# KiCad board weisse_cpu.kicad_pcb (continued)
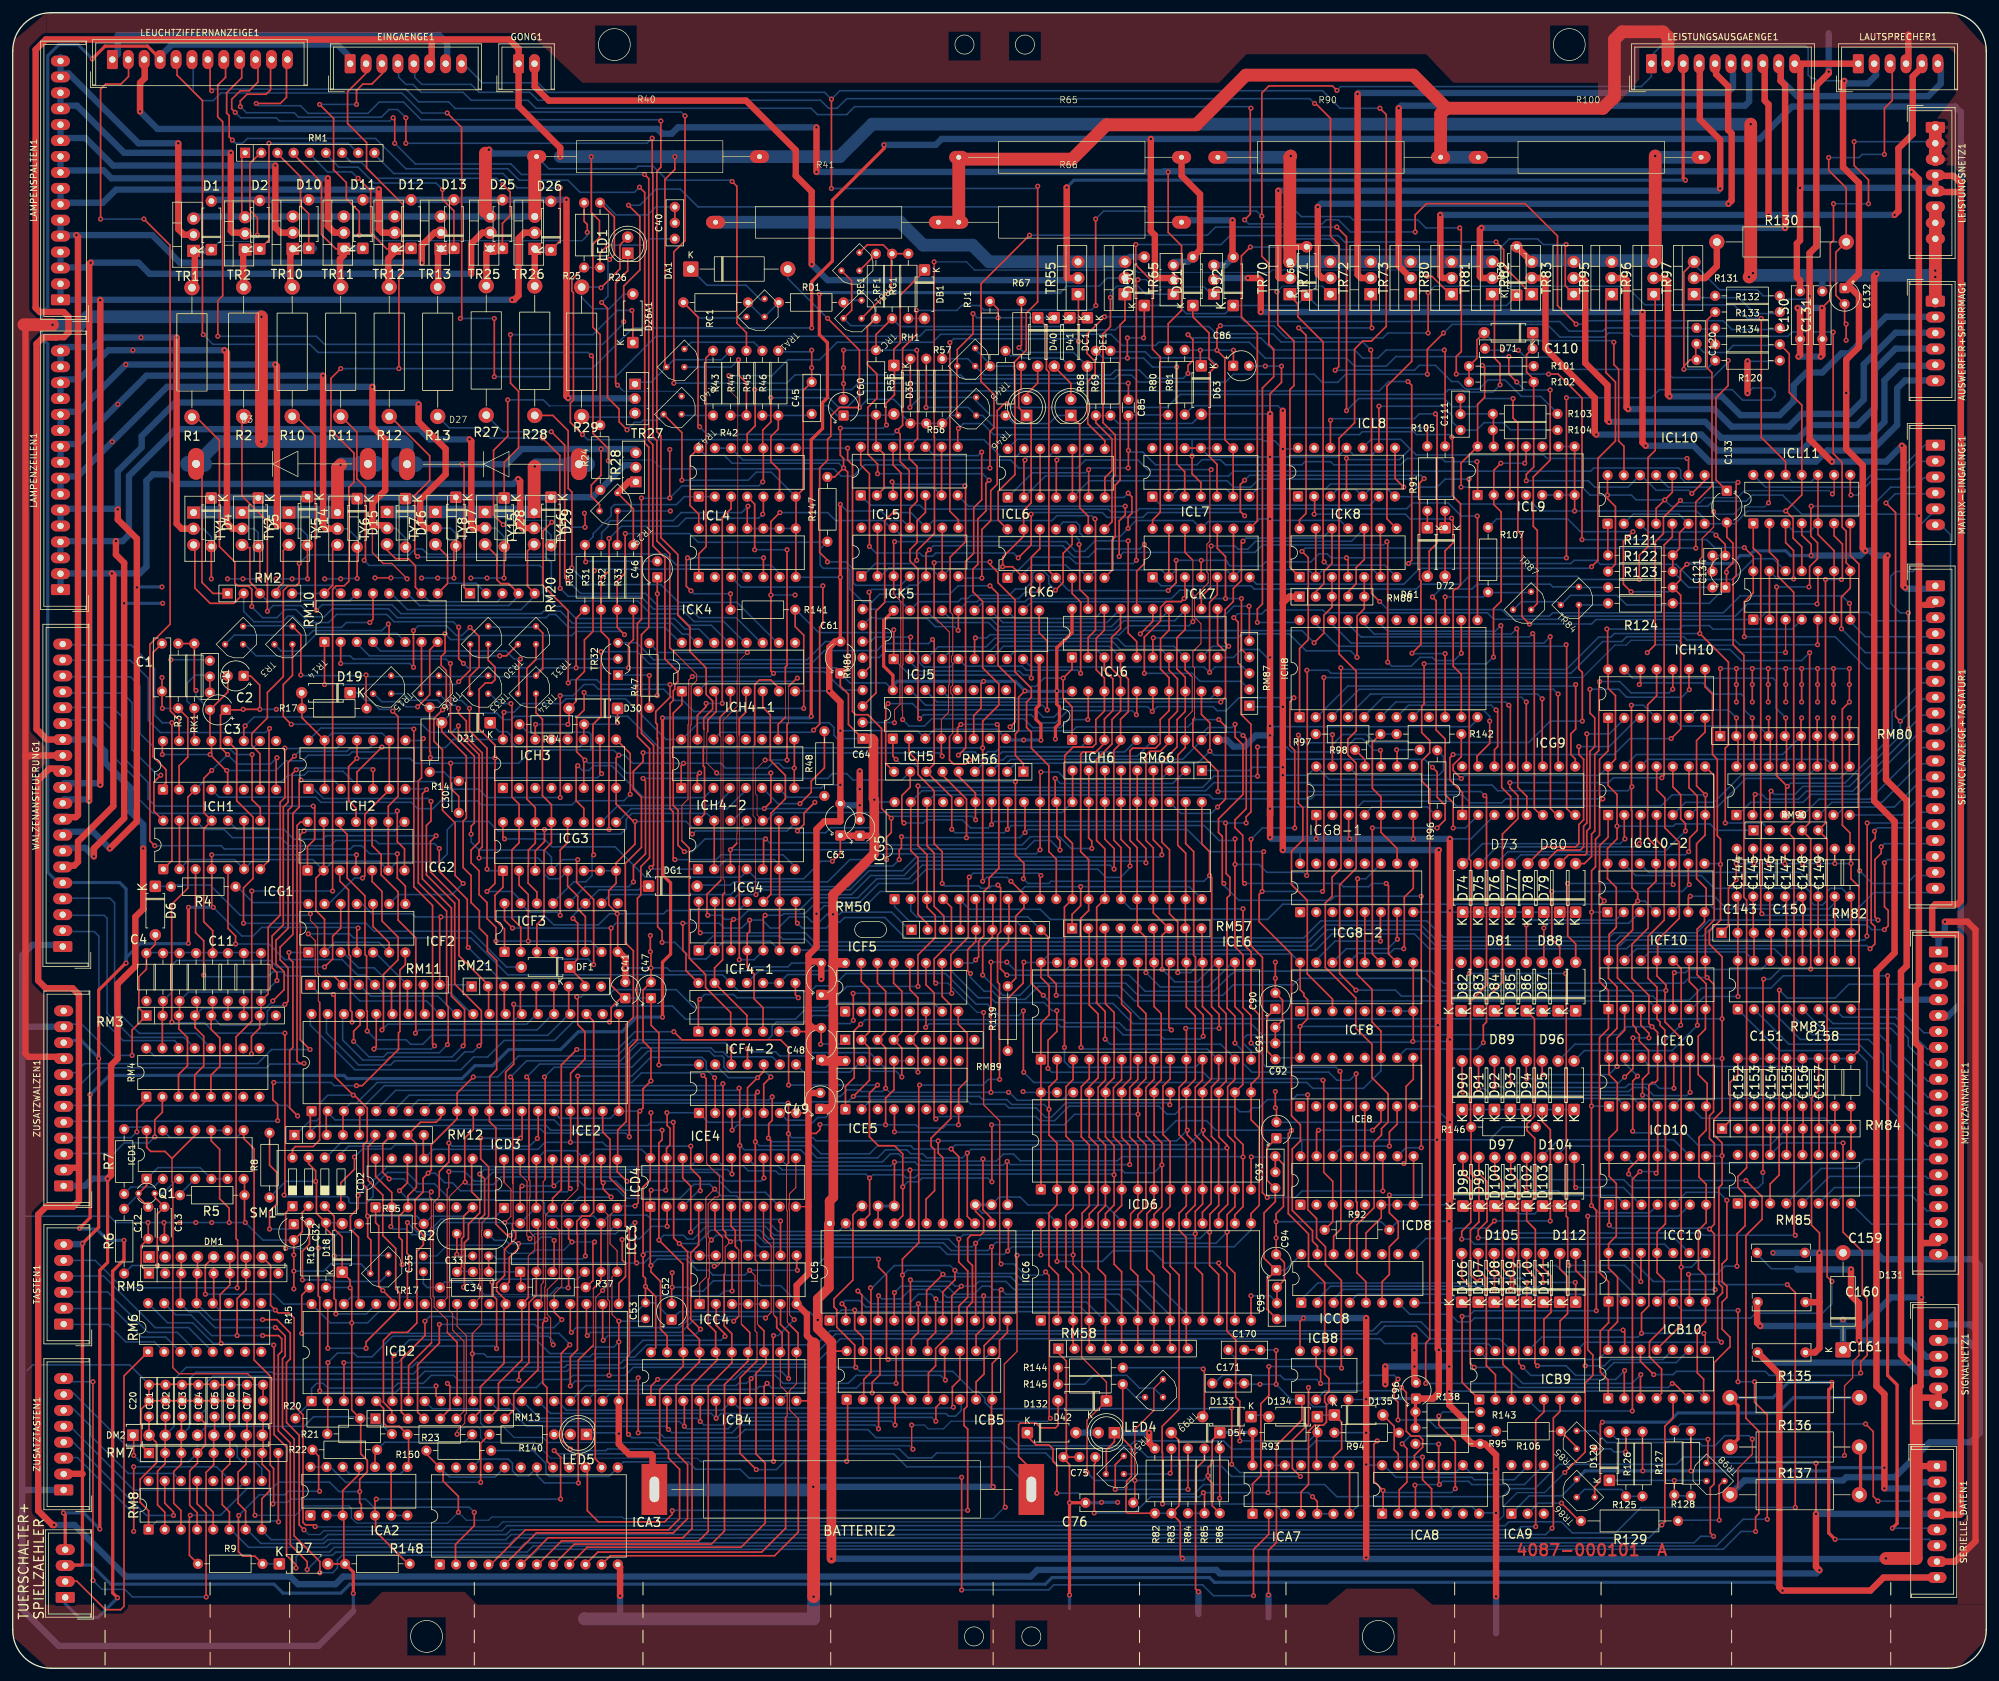
[diagram p0: board, top side]
## Footprints (pads in the part's own frame, mm; a bottom-side part is the same pattern mirrored in y, then rotated) (continued)
TO-92_Inline_Wide
  rect 1.5x1.5 hole 0.8: 1(0,0)
  round 1.5 hole 0.8: 2(2.54,0) 3(5.08,0)
TO-126-3_Vertical
  rect 1.71x1.8 hole 1: 1(0,0)
  oval 1.71x1.8 hole 1: 2(2.28,0) 3(4.56,0)
TO-220-3_Vertical
  rect 1.905x2 hole 1.1: 1(0,0)
  oval 1.905x2 hole 1.1: 2(2.54,0) 3(5.08,0)

## Nets
+2V5: C60.1 D19.1 D35.2 ICF2.2 ICF2.6 ICF2.10 ICF4-1.2 ICF4-1.6 ICF4-1.9 ICF4-1.13 ICG1.2 ICG1.6 ICG1.9 ICG1.13 ICG2.2 ICG2.6 ICG2.9 ICG2.13 ICG4.2 ICG4.6 ICG4.9 ICG4.13 ICL5.2 ICL5.6 ICL5.9 ICL5.13 R55.2
+5V: C2.2 C3.2 C41.1 C47.1 C48.1 C49.1 C50.1 C52.1 C53.2 C61.1 C63.1 C64.1 C90.1 C91.1 C92.1 C93.1 C94.1 C95.1 C96.1 C160.1 D18.1 D35.1 D54.2 D131.1 DB1.1 DM1.5 DM2.5 ICA2.4 ICA8.14 ICA9.5 ICB2.35 ICB2.40 ICB4.20 ICB5.20 ICB8.4 ICB8.8 ICB9.14 ICB10.14 ICC3.14 ICC4.13 ICC4.14 ICC5.24 ICC8.16 ICC10.14 ICD2.1 ICD2.2 ICD2.14 ICD3.3 ICD3.6 ICD3.11 ICD3.14 ICD3.16 ICD4.20 ICD6.1 ICD6.27 ICD6.28 ICD8.16 ICD10.14 ICE2.40 ICE4.14 ICE5.16 ICE6.1 ICE6.27 ICE6.28 ICE8.16 ICE10.14 ICF3.16 ICF4-1.4 ICF4-2.5 ICF4-2.14 ICF5.16 ICF8.16 ICF10.14 ICG3.16 ICG4.4 ICG5.40 ICG8-1.14 ICG8-2.16 ICG10-1.14 ICG10-2.14 ICH1.5 ICH1.13 ICH1.16 ICH2.4 ICH3.16 ICH4-2.16 ICH5.6 ICH5.16 ICH6.20 ICH10.14 ICJ5.20 ICJ6.20 ICK4.14 ICK11.4 ICL4.14 ICL6.14 ICL7.4 ICL8.14 ICL9.14 ICL10.4 ICL10.10 ICL10.14 LEUCHTZIFFERNANZEIGE1.3 MUENZANNAHME1.19 R3.2 R9.1 R16.1 R17.2 R20.2 R21.2 R30.1 R33.1 R80.2 R81.1 R82.1 R83.1 R94.1 R101.2 R122.1 R138.1 R139.1 R142.2 R143.1 R145.2 R146.2 R147.2 RK1.2 RM13.1 RM50.1 RM56.1 RM66.1 RM86.1 RM87.1 RM88.1 RM90.1 SERIELLE_DATEN1.1 SERVICEANZEIGE+TASTATUR1.2 SIGNALNETZ1.5 SIGNALNETZ1.6 SM1.3 TR3.1 TR14.1 TR15.1 TR16.1 TR30.1 TR31.1 TR33.1 TR34.1 TR99.3
+8V: D40.1 D41.1 DA1.2 ICK5.4 ICK6.4 ICK7.4 ICK8.4 R56.1 R57.1 R120.2 RH1.1 RJ1.2 TR45.3 TR46.3
+12V: C132.1 C161.1 EINGAENGE1.1 ICF2.4 ICG1.4 ICG2.4 ICG9.1 ICH8.24 ICL5.4 ICL11.4 LAUTSPRECHER1.2 LEISTUNGSAUSGAENGE1.1 LEUCHTZIFFERNANZEIGE1.4 MUENZANNAHME1.4 R107.1 R123.2 RC1.1 SERIELLE_DATEN1.8 SIGNALNETZ1.4 TASTEN1.6 TRA1.3 TUERSCHALTER+SPIELZAEHLER1.3 WALZENANSTEUERUNG1.5 ZUSATZTASTEN1.2 ZUSATZWALZEN1.10
+20V: C130.2 D120.2 LAUTSPRECHER1.1 LEISTUNGSAUSGAENGE1.10 LEISTUNGSNETZ1.4 LEISTUNGSNETZ1.5 MUENZANNAHME1.2 SERIELLE_DATEN1.4 TR98.3 WALZENANSTEUERUNG1.12 ZUSATZWALZEN1.2
+40V: AUSWERFER+SPERRMAG1.1 C131.2 EINGAENGE1.6 GONG1.1 ICA9.1 LEISTUNGSNETZ1.6 LEISTUNGSNETZ1.7 LEISTUNGSNETZ1.8 R24.2 R40.2 R43.2 R126.2 R128.2 SERIELLE_DATEN1.2 TR27.1 TR40.3 TR86.3 TUERSCHALTER+SPIELZAEHLER1.4 WALZENANSTEUERUNG1.14 ZUSATZWALZEN1.1
+40V_LAMPEN: R40.1 R44.2 RM1.1 TR1.3 TR2.3 TR10.3 TR11.3 TR12.3 TR13.3 TR25.3 TR26.3
GND: BATTERIE2.2 C2.1 C3.1 C4.2 C5.2 C6.2 C7.2 C8.2 C9.2 C10.2 C11.2 C12.2 C13.2 C20.2 C21.2 C22.2 C23.2 C24.2 C25.2 C26.2 C27.2 C30.1 C32.2 C34.2 C40.2 C41.2 C45.2 C47.2 C48.2 C49.2 C50.2 C52.2 C53.1 C60.2 C61.2 C63.2 C64.2 C75.2 C76.1 C86.2 C90.2 C91.2 C92.2 C93.2 C94.2 C95.2 C96.2 C111.1 C120.2 C133.2 C134.1 C143.2 C144.2 C145.2 C146.2 C147.2 C148.2 C149.2 C150.2 C151.2 C152.2 C153.2 C154.2 C155.2 C156.2 C157.2 C158.2 C159.2 C160.2 C161.2 C170.2 C171.2 D6.2 D7.2 D63.2 D73.1 D74.1 D75.1 D76.1 D77.1 D78.1 D79.1 D80.1 D131.2 DC1.1 DE1.1 EINGAENGE1.7 ICA2.2 ICA2.3 ICA2.11 ICA3.12 ICA7.7 ICA7.8 ICA8.5 ICA8.7 ICA8.9 ICA8.11 ICB2.6 ICB2.20 ICB4.10 ICB5.10 ICB8.1 ICB9.7 ICB10.7 ICC3.7 ICC4.7 ICC5.12 ICC6.14 ICC8.8 ICC8.12 ICC10.7 ICD1.7 ICD1.9 ICD1.10 ICD2.7 ICD3.8 ICD4.10 ICD6.14 ICD8.6 ICD8.7 ICD8.8 ICD8.9 ICD10.7 ICE2.16 ICE2.20 ICE2.21 ICE4.7 ICE5.8 ICE5.12 ICE5.13 ICE6.14 ICE8.8 ICE10.7 ICF2.11 ICF3.8 ICF4-1.11 ICF4-2.6 ICF4-2.7 ICF4-2.9 ICF4-2.10 ICF5.8 ICF8.6 ICF8.7 ICF8.8 ICF8.9 ICF10.7 ICG1.11 ICG2.11 ICG3.6 ICG3.7 ICG3.8 ICG4.11 ICG5.20 ICG8-1.1 ICG8-1.3 ICG8-1.7 ICG8-2.8 ICG9.3 ICG10-1.7 ICG10-2.7 ICH1.8 ICH2.11 ICH3.8 ICH4-1.8 ICH4-2.1 ICH4-2.8 ICH4-2.9 ICH5.3 ICH5.8 ICH6.10 ICH8.12 ICH10.7 ICJ5.10 ICJ6.10 ICK4.7 ICK4.8 ICK4.9 ICK4.10 ICK4.11 ICK5.11 ICK6.11 ICK7.11 ICK8.11 ICK11.11 ICL4.7 ICL5.11 ICL6.7 ICL7.10 ICL7.11 ICL7.12 ICL8.3 ICL8.5 ICL8.7 ICL8.9 ICL8.11 ICL9.5 ICL9.6 ICL9.7 ICL9.8 ICL9.9 ICL10.7 ICL11.11 LED5.1 LEUCHTZIFFERNANZEIGE1.1 MUENZANNAHME1.20 R5.2 R26.2 R31.2 R34.2 R35.2 R46.2 R55.1 R68.1 R69.1 R85.2 R92.2 R95.2 R104.2 R120.1 R124.2 R131.2 R134.2 R137.1 R148.1 RF1.1 RM3.1 RM5.1 RM7.1 RM11.1 RM11.9 RM12.1 RM21.1 RM57.1 RM58.1 RM80.1 RM82.1 RM84.1 RM89.1 SERVICEANZEIGE+TASTATUR1.1 SIGNALNETZ1.1 SIGNALNETZ1.2 SM1.2 TR17.3 TR32.3 TR41.3 TR84.3 TR85.3 TR87.3 TR97.3 TRB1.3 TRC1.3 WALZENANSTEUERUNG1.1 ZUSATZTASTEN1.1 ZUSATZWALZEN1.11
GND1: EINGAENGE1.2 MUENZANNAHME1.5 TASTEN1.5 TR65.2
GNDPWR: C130.1 C131.1 D3.1 D27.1 LAUTSPRECHER1.4 LEISTUNGSAUSGAENGE1.2 LEISTUNGSNETZ1.1 LEISTUNGSNETZ1.2 LEISTUNGSNETZ1.3 MUENZANNAHME1.1 R41.2 R65.1 R66.1 R90.2 R100.1 RM2.1 RM20.1 SERIELLE_DATEN1.7 TR28.3 TR29.3 WALZENANSTEUERUNG1.13 ZUSATZWALZEN1.9
/A8#: ICG9.13 ICH8.6
/A8b: ICG9.12 ICH8.5
/B8: ICG9.14 ICH8.7
/C8#: ICG9.4 ICH8.19
/C9: ICG9.15 ICH8.8
/cTS0: MATRIX-EINGAENGE1.3 RM81.4 SERVICEANZEIGE+TASTATUR1.7
/cTS1: MATRIX-EINGAENGE1.4 RM81.3 SERVICEANZEIGE+TASTATUR1.8
/cTS2: MATRIX-EINGAENGE1.5 RM81.2 SERVICEANZEIGE+TASTATUR1.9
/cTS3: MATRIX-EINGAENGE1.6 RM81.1 SERVICEANZEIGE+TASTATUR1.10
/cTS4: RM81.5 SERVICEANZEIGE+TASTATUR1.11
/cTS5: RM81.6 SERVICEANZEIGE+TASTATUR1.12
/cTS6: RM81.7 SERVICEANZEIGE+TASTATUR1.13
/cTS7: RM81.8 SERVICEANZEIGE+TASTATUR1.14
/D8#: ICG9.6 ICH8.21
/D8b: ICG9.5 ICH8.20
/E8: ICG9.7 ICH8.22
/F8: ICG9.8 ICH8.23
/F8#: ICG9.9 ICH8.2
/G8: ICG9.10 ICH8.3
/G8#: ICG9.11 ICH8.4
/LZB0: ICF3.3 ICG3.13 TR34.2
/LZB1: ICF3.14 ICG3.14 TR31.2
/LZB2: ICF3.2 ICG3.15 TR33.2
/LZB4: ICF3.1 ICG3.1 TR16.2
/LZB5: ICF3.6 ICG3.5 TR15.2
/LZB6: ICF3.7 ICG3.2 TR14.2
/LZB7: ICF3.4 ICG3.4 TR3.2
/NF_C: RM6.2 TASTEN1.1
/Ru_C: RM6.5 TASTEN1.4
/SK_C: RM6.3 TASTEN1.2
/SOUND_OCTAVE: ICF8.3 R124.1 TR84.2
/SOUND_S0: ICH8.10 ICL5.14
/SOUND_S1: ICH8.11 ICL5.8
/SOUND_S2: ICH8.14 ICL5.7
/SOUND_S3: ICH8.13 ICL5.1
/STR_C: RM6.4 TASTEN1.3
/TS_C: RM6.1 TUERSCHALTER+SPIELZAEHLER1.2
/ZE0_c: RM8.13 ZUSATZTASTEN1.8
/ZE1_c: RM8.9 ZUSATZTASTEN1.7
/ZE2_c: RM8.14 ZUSATZTASTEN1.6
/ZE3_c: RM8.10 ZUSATZTASTEN1.5
/ZE4_c: RM8.15 ZUSATZTASTEN1.4
/ZE5_c: RM8.11 ZUSATZTASTEN1.3
A0: ICB5.2 ICC5.8 ICC6.10 ICD6.10 ICE6.10 ICG5.21 ICH5.1 RM58.9
A1: ICB5.5 ICC5.7 ICC6.9 ICD6.9 ICE6.9 ICH5.2 RM58.8
A2: ICB5.6 ICC5.6 ICC6.8 ICD6.8 ICE6.8 RM58.7
A3: ICB5.9 ICC5.5 ICC6.7 ICD6.7 ICE6.7 RM58.6
A4: ICB5.12 ICC5.4 ICC6.6 ICD6.6 ICE6.6 RM58.5
A5: ICB5.15 ICC5.3 ICC6.5 ICD6.5 ICE6.5 RM58.4
A6: ICB5.16 ICC5.2 ICC6.4 ICD6.4 ICE6.4 RM58.3
A7: ICB5.19 ICC5.1 ICC6.3 ICD6.3 ICE6.3 RM58.2
A8: ICB2.21 ICD4.2
A9: ICB2.22 ICD4.4
A10: ICB2.23 ICD4.6
A11: ICB2.24 ICD4.8
A12: ICB2.25 ICE4.2 RM13.4
A13: ICB2.26 ICE4.5 RM13.9
A14: ICB2.27 ICE4.9 RM13.8
A15: ICB2.28 ICE4.12 RM13.7
AD0: ICB2.12 ICB4.2 ICB5.3
AD1: ICB2.13 ICB4.3 ICB5.4
AD2: ICB2.14 ICB4.4 ICB5.7
AD3: ICB2.15 ICB4.5 ICB5.8
AD4: ICB2.16 ICB4.6 ICB5.13
AD5: ICB2.17 ICB4.7 ICB5.14
AD6: ICB2.18 ICB4.8 ICB5.17
AD7: ICB2.19 ICB4.9 ICB5.18
ALE: ICB2.30 ICD4.15
AW1: AUSWERFER+SPERRMAG1.2 TR96.2
AW1in: ICJ5.12 ICK7.3 RM87.2
AW2: AUSWERFER+SPERRMAG1.3 TR95.2
AW2in: ICJ5.9 ICK7.5 RM87.3
AW3: AUSWERFER+SPERRMAG1.4 TR83.2
AW3in: ICJ5.15 ICK7.10 RM87.4
AW4: AUSWERFER+SPERRMAG1.5 TR82.2
AW4in: ICJ5.6 ICK7.12 RM87.5
B0: ICG4.1 LEUCHTZIFFERNANZEIGE1.9
B1: ICG4.7 LEUCHTZIFFERNANZEIGE1.10
B2: ICG4.8 LEUCHTZIFFERNANZEIGE1.11
B3: ICG4.14 LEUCHTZIFFERNANZEIGE1.12
BUS_A8: ICC5.23 ICC6.25 ICD4.18 ICD6.25 ICE6.25 RM57.2
BUS_A9: ICC5.22 ICC6.24 ICD4.16 ICD6.24 ICE6.24 RM57.3
BUS_A10: ICC5.19 ICC6.21 ICD4.14 ICD6.21 ICE6.21 RM57.6
BUS_A11: ICD4.12 ICD6.23 ICE6.23 JP1.3 JP2.1 RM57.4
BUS_A12: ICC6.2 ICD6.2 ICE4.3 ICE6.2 ICF5.15 RM89.2
BUS_A13: ICD6.26 ICE4.6 ICE6.26 ICF5.14 RM89.3
BUS_A14: ICE4.8 ICE5.15 ICF5.13 RM89.4
BUS_A15: ICE4.11 ICE5.14 ICF5.12 RM89.5
BUS_ALE: ICA3.14 ICB5.11 ICD2.3 ICD3.15 ICD4.5 ICE2.9 RM12.8
BUS_CLK: ICD2.11 ICD4.3 ICE2.17 ICG5.3 ICG8-1.10 RM12.9
BUS_EN: ICB4.19 ICB5.1 ICC4.8 ICD4.1 ICD4.19 ICE4.1 ICE4.4 ICE4.10 ICE4.13
BUS_nRD: ICC4.1 ICD3.2 ICD3.13 ICD4.7
BUS_nWR: ICD3.5 ICD3.10 ICD4.9
CLK: ICB2.37 ICD4.17
CPU_RESET: D18.2 ICB2.36 R8.1 R16.2 SM1.7 TR17.1
D0: ICA3.4 ICB4.18 ICC5.9 ICC6.11 ICD6.11 ICE2.1 ICE6.11 ICG5.12 ICH6.18 ICJ5.13 ICJ6.18 RM12.2
D1: ICA3.5 ICB4.17 ICC5.10 ICC6.12 ICD6.12 ICE2.2 ICE6.12 ICG5.13 ICH6.3 ICJ5.8 ICJ6.3 RM12.3
D2: ICA3.6 ICB4.16 ICC5.11 ICC6.13 ICD6.13 ICE2.3 ICE6.13 ICG5.14 ICH6.17 ICJ5.14 ICJ6.17 RM12.4
D3: ICA3.7 ICB4.15 ICC5.13 ICC6.15 ICD6.15 ICE2.4 ICE6.15 ICG5.15 ICH6.4 ICJ5.7 ICJ6.4 RM12.5
D4: ICA3.8 ICB4.14 ICC5.14 ICC6.16 ICD6.16 ICE2.5 ICE6.16 ICG5.16 ICH6.14 ICJ5.17 ICJ6.14 RM57.5
D5: ICA3.9 ICB4.13 ICC5.15 ICC6.17 ICD6.17 ICE2.6 ICE6.17 ICG5.17 ICH6.7 ICJ5.4 ICJ6.7 RM57.7
D6: ICA3.10 ICB4.12 ICC5.16 ICC6.18 ICD6.18 ICE2.7 ICE6.18 ICG5.18 ICH6.13 ICJ5.18 ICJ6.13 RM57.9
D7: ICA3.11 ICB4.11 ICC5.17 ICC6.19 ICD6.19 ICE2.8 ICE6.19 ICG5.19 ICH6.8 ICJ5.3 ICJ6.8 RM57.8
DG: LAUTSPRECHER1.6 LEISTUNGSAUSGAENGE1.9 TR81.2
DGin: ICJ6.16 ICK5.5 RM86.5
DM: LEISTUNGSAUSGAENGE1.7 TR73.2
DMin: ICJ6.12 ICK8.10 RM88.4
DS: LEISTUNGSAUSGAENGE1.5 TR71.2
DSin: ICJ6.15 ICK8.3 RM88.3
GONG: GONG1.2 LEISTUNGSAUSGAENGE1.3 TR55.2
GONGin: ICJ6.2 ICK5.10 RM86.3
HOLD: ICB2.39 RM12.6 SM1.6
ICK6C9: ICK6.9 LED3.1 R70.2 RH1.2 TR46.1
ICL7B_5: D51.1 ICL7.5 R69.2
inD6in: ICJ5.19 ICK6.10 RM86.9
INTA: ICB2.11 ICC4.2 ICE2.14
INTR: ICB2.10 ICE2.15
IO: ICB2.34 ICD3.1
IO70: ICH5.15 ICJ5.11
IO71: ICH5.14 ICJ6.11
IO72: ICH5.13 ICH6.11
IO_RD: ICD3.12 ICE2.10 ICG5.10 RM13.2
IO_WR: ICD3.9 ICE2.11 ICG5.11 ICH5.4 RM13.6
L1W4: RM4.1 ZUSATZWALZEN1.4
L1W5: RM4.2 ZUSATZWALZEN1.3
LIA1: C154.1 ICE10.13 RM84.5 RM85.13
LIA2: C155.1 ICE10.5 RM84.6 RM85.12
LIA3: C156.1 ICE10.12 RM84.7 RM85.11
LIA4: C157.1 ICE10.6 RM84.8 RM85.10
LIG: C158.1 ICD10.13 RM84.9 RM85.9
LIM1: C150.1 ICG10-2.13 RM82.9 RM83.9
LIM2: C149.1 ICG10-2.5 RM82.8 RM83.10
LIM3: C148.1 ICG10-2.12 RM82.7 RM83.11
LIM4: C147.1 ICG10-2.6 RM82.6 RM83.12
LIW1: RM4.12 WALZENANSTEUERUNG1.4
LIW1out: ICE2.39 ICH2.1
LIW2: RM4.13 WALZENANSTEUERUNG1.3
LIW2out: ICE2.38 ICH2.7
LIW3: RM4.14 WALZENANSTEUERUNG1.2
LIW3out: ICE2.37 ICH2.8
LIW4out: ICE2.36 ICH2.14
LIW5out: D6.1 ICE2.32 R4.2 RM11.3
LIZG: EINGAENGE1.5 R103.2
LIZG_: ICB10.6 ICL9.2 ICL9.11
LIZGin: C111.2 ICL9.13 R103.1 R104.1
LIZM: EINGAENGE1.4 R133.2
LIZM_: ICC10.12 ICL6.5 ICL6.10
LIZMin: C120.1 ICL6.8 R133.1 R134.1
LIZS: EINGAENGE1.3 R25.2
LIZS_: ICC10.6 ICL6.2 ICL6.11
LIZSin: C40.1 ICL6.13 R25.1 R26.1
LS0: LAMPENSPALTEN1.15 LAMPENSPALTEN1.16 TR1.2
LS1: LAMPENSPALTEN1.13 LAMPENSPALTEN1.14 TR2.2
LS2: LAMPENSPALTEN1.11 LAMPENSPALTEN1.12 TR10.2
LS3: LAMPENSPALTEN1.9 LAMPENSPALTEN1.10 TR11.2
LS4: LAMPENSPALTEN1.7 LAMPENSPALTEN1.8 TR12.2
LS5: LAMPENSPALTEN1.5 LAMPENSPALTEN1.6 TR13.2 WALZENANSTEUERUNG1.9
LS6: LAMPENSPALTEN1.3 LAMPENSPALTEN1.4 TR25.2 WALZENANSTEUERUNG1.10
LS7: LAMPENSPALTEN1.1 LAMPENSPALTEN1.2 TR26.2 WALZENANSTEUERUNG1.11
LSP: C132.2 LAUTSPRECHER1.3 R130.2
Lu: C145.1 ICF10.5 RM82.4 RM83.14
LZ0: D4.2 LAMPENZEILEN1.15 LAMPENZEILEN1.16 TY1.2
LZ1: D5.2 LAMPENZEILEN1.13 LAMPENZEILEN1.14 TY2.2
LZ2: D14.2 LAMPENZEILEN1.11 LAMPENZEILEN1.12 TY5.2
LZ3: D15.2 LAMPENZEILEN1.9 LAMPENZEILEN1.10 TY6.2
LZ4: D16.2 LAMPENZEILEN1.7 LAMPENZEILEN1.8 TY7.2
LZ5: D17.2 LAMPENZEILEN1.5 LAMPENZEILEN1.6 TY8.2 WALZENANSTEUERUNG1.8
LZ6: D28.2 LAMPENZEILEN1.3 LAMPENZEILEN1.4 TY15.2 WALZENANSTEUERUNG1.7
LZ7: D29.2 LAMPENZEILEN1.1 LAMPENZEILEN1.2 TY16.2 WALZENANSTEUERUNG1.6
LZB3: ICF3.15 ICG3.12 R14.2 TR30.2
LZB3x8: C46.1 ICH3.6 ICH4-2.2
LZG0: RM2.2 RM10.13 TY1.3
LZG1: RM2.3 RM10.14 TY2.3
LZG2: RM2.4 RM10.15 TY5.3
LZG3: RM2.5 RM10.16 TY6.3
LZG4: RM10.10 RM20.3 TY7.3
LZG5: RM10.9 RM20.2 TY8.3
LZG6: RM10.11 RM20.4 TY15.3
LZG7: RM10.12 RM20.5 TY16.3
M1A: ICG1.1 WALZENANSTEUERUNG1.20
M1Ain: ICE2.31 ICG1.3 RM11.4
M1B: ICG1.7 WALZENANSTEUERUNG1.19
M1Bin: ICE2.30 ICG1.5 RM11.5
M2A: ICG1.8 WALZENANSTEUERUNG1.18
M2Ain: ICE2.29 ICG1.10 RM21.2
M2B: ICG1.14 WALZENANSTEUERUNG1.17
M2Bin: ICE2.28 ICG1.12 RM21.3
M3A: ICG2.1 WALZENANSTEUERUNG1.16
M3Ain: ICE2.27 ICG2.3 RM21.4
M3B: ICG2.7 WALZENANSTEUERUNG1.15
M3Bin: ICE2.26 ICG2.5 RM21.5
M4A: ICG2.8 ZUSATZWALZEN1.8
M4Ain: ICE2.25 ICG2.10 RM21.6
M4B: ICG2.14 ZUSATZWALZEN1.7
M4Bin: ICE2.24 ICG2.12 RM21.7
M5A: ICF2.1 ZUSATZWALZEN1.6
M5Ain: ICE2.35 ICF2.3 RM11.6
M5B: ICF2.7 ZUSATZWALZEN1.5
M5Bin: ICE2.34 ICF2.5 RM11.7
MEM_RD: ICA3.17 ICC5.20 ICC6.22 ICD3.4 ICD6.22 ICE6.22 RM13.3
MEM_WR: ICA7.11 ICD3.7 JP2.3 RM13.5
MK: C153.1 ICB10.12 RM84.4 RM85.14
MP: AUSWERFER+SPERRMAG1.6 TR66.2
MPin: ICJ5.16 ICK6.3 RM86.8
NF: DM1.7 ICC10.5 RM5.7 RM6.15
nRD: ICB2.32 ICD4.13
nWR: ICB2.31 ICD4.11
OPAMP_NEGATIV: ICK5.2 ICK5.6 ICK5.9 ICK5.13 ICK6.2 ICK6.6 ICK6.13 ICK7.2 ICK7.6 ICK7.9 ICK7.13 ICK8.2 ICK8.6 ICK8.9 ICK8.13 LED2.1 R67.2 RJ1.1 TR45.1
OUT_A0: ICF4-1.3 ICG5.27 ICH4-1.4 RM66.7
OUT_A1: ICF4-1.5 ICG5.26 ICH4-1.5 RM66.6
OUT_A2: ICF4-1.10 ICG5.25 ICH4-1.6 RM66.5
OUT_A3: ICF4-1.12 ICG5.24 ICH4-1.7 RM66.4
OUT_B0: ICG4.3 ICG5.31 R47.2 RM66.3
OUT_B1: ICG4.5 ICG5.30 ICH4-1.1 RM66.2
OUT_B2: ICG4.10 ICG5.29 ICH4-1.2 RM66.9
OUT_B3: ICG4.12 ICG5.28 ICH4-1.3 RM66.8
PA7: EINGAENGE1.8 ICK6.14 SERIELLE_DATEN1.5
PA7in: ICJ5.2 ICK6.12 RM86.7
POWER_GOOD: C75.1 ICA7.5 ICA7.6 ICA7.12 ICA7.13 R84.1 R85.1
RAM_CE: ICA7.3 ICC6.20 R86.2
RAM_EN: ICA7.4 ICE5.4
RAMVCC: C76.2 D54.1 D132.1 ICA3.20 ICA3.24 ICA7.14 ICC6.26 ICC6.28 ICD1.11 ICD1.14 R7.2 R86.1 R93.1 R150.1 TR99.1
RESET: D21.2 ICC3.8 ICE2.12 ICG5.9 R139.2 RE1.1
RL0: ICB9.1 ICD10.4 ICE10.1 ICG5.38 ICG10-2.1 ICH10.1 RM50.3
RL1: ICB9.4 ICD10.11 ICE10.4 ICG5.39 ICG10-2.4 ICH10.4 RM50.2
RL2: ICB9.11 ICB10.8 ICE10.11 ICG5.1 ICG10-2.11 ICH10.11 RM50.8
RL3: ICB9.8 ICD10.8 ICE10.8 ICG5.2 ICG10-2.8 ICH10.8 RM50.9
RL4: ICB10.1 ICC10.1 ICF10.1 ICG5.5 ICG10-1.1 RM50.4
RL5: ICB10.4 ICC10.11 ICF10.4 ICG5.6 ICG10-1.4 RM50.5
RL6: ICB10.11 ICC10.8 ICF10.11 ICG5.7 ICG10-1.11 RM50.6
RL7: ICC10.4 ICD10.1 ICF10.8 ICG5.8 ICG10-1.8 RM50.7
ROM_CE_I: ICE5.1 ICE6.20
ROM_CE_II: ICD6.20 ICE5.2
RST55: ICE8.11 ICF4-2.12 ICG8-2.11 SM1.8
RST55_CPU: ICB2.9 R35.1 SM1.1
RST65: ICB2.8 ICG5.4
RST75: ICK11.12 ICL4.10 SM1.4
RST75_CPU: ICB2.7 RM12.7 SM1.5
Ru: DM1.8 ICD10.6 RM5.5 RM6.12
RuM: C146.1 ICF10.13 RM82.5 RM83.13
RxD: ICA8.4 ICE2.19
S0: ICK11.1 LEUCHTZIFFERNANZEIGE1.5 SERVICEANZEIGE+TASTATUR1.3
S1: ICK11.7 LEUCHTZIFFERNANZEIGE1.6 SERVICEANZEIGE+TASTATUR1.4
S2: ICK11.8 LEUCHTZIFFERNANZEIGE1.7 SERVICEANZEIGE+TASTATUR1.5
S3: ICK11.14 LEUCHTZIFFERNANZEIGE1.8 SERVICEANZEIGE+TASTATUR1.6
SELECT_EXROM: ICC5.18 ICF5.10
SELECT_IO: ICE2.13 ICF5.7
SELECT_KEYBOARD: ICF5.6 ICG5.22
SELECT_PER: ICF5.9 ICH5.5
SELECT_RTC: ICA7.1 ICF5.11
SID: ICA2.8 ICA2.12 ICB2.5 R23.1
SK: DM1.3 ICD10.12 RM5.3 RM6.14
SL0: ICC8.15 ICF3.10 ICG5.32 ICK11.3 RM56.6
SL1: ICC8.14 ICF3.13 ICG5.33 ICK11.5 RM56.7
SL2: ICC8.13 ICF3.12 ICG5.34 ICK11.10 RM56.8
SL3: DG1.2 ICG5.35 ICL4.8 ICL4.9 RM56.5
SL3BL: DF1.1 DG1.1 ICF3.11 RM21.8
SOUND_CLOCK: ICG8-1.5 ICG8-2.10 R97.1 R142.1
SOUND_D0: ICH6.19 ICL5.12
SOUND_D1: ICH6.2 ICL5.10
SOUND_D2: ICH6.16 ICL5.5
SOUND_D3: ICH6.5 ICL5.3
SOUND_D4: ICD8.11 ICH6.15 RM56.9
SOUND_D5: ICD8.10 ICH6.6 RM56.4
SOUND_D6: ICF8.11 ICH6.12 RM56.2
SOUND_D7: ICF8.10 ICH6.9 RM56.3
SP_RESET: C159.1 D42.1 SIGNALNETZ1.3
SPALTEN_DIODEN: D1.2 D2.2 D10.2 D11.2 D12.2 D13.2 D25.2 D26.2 TR27.2
SSA: R135.1 R136.1 SERIELLE_DATEN1.6
SSE: R127.2 SERIELLE_DATEN1.3
START_SOUND: ICF4-2.3 ICJ6.19 ICK5.12 RM86.4
STR: DM1.4 ICC10.13 RM5.4 RM6.13
SVA0: ICF4-1.1 SERVICEANZEIGE+TASTATUR1.15
SVA1: ICF4-1.7 SERVICEANZEIGE+TASTATUR1.16
SVA2: ICF4-1.8 SERVICEANZEIGE+TASTATUR1.17
SVA3: ICF4-1.14 SERVICEANZEIGE+TASTATUR1.18
SYSCLOCK: C33.2 C34.1 ICC3.1 ICC3.10 R37.1
SYSRESET: ICA3.18 ICA3.22 ICC3.6 ICC3.9 ICC4.9 ICH1.3 ICH6.1 ICJ5.1 ICJ6.1 R141.2
SZ: TR56.2 TUERSCHALTER+SPIELZAEHLER1.1
SZ0: D97.1 D98.1 D99.1 D100.1 D102.1 D103.1 D104.1 D109.1 ICC8.1 ICL4.12 ICL4.13 R146.1
SZ1: D85.1 D86.1 D87.1 D88.1 D101.1 D112.1 ICC8.2
SZ2: D89.1 D90.1 D91.1 D92.1 D93.1 D94.1 D95.1 D96.1 ICC8.3
SZ3: D105.1 D106.1 D107.1 D108.1 D110.1 D111.1 ICC8.4
SZ4: ICC8.5 ICL11.13 RM90.2
SZ5: ICC8.6 ICL11.9 RM90.4
SZ6: ICC8.7 ICL11.6 RM90.5
SZ7: ICC8.9 ICL11.2 RM90.3
SZin: ICJ5.5 ICK6.5 RM86.6
TIME_CLOCK: ICA3.2 ICD1.8 ICD1.13
TS: DM1.6 ICD10.5 RM5.6 RM6.16
TS0: ICH10.13 RM80.5 RM81.13
TS1: ICH10.5 RM80.4 RM81.14
TS2: ICH10.12 RM80.3 RM81.15
TS3: ICH10.6 RM80.2 RM81.16
TS4: ICG10-1.13 RM80.6 RM81.12
TS5: ICG10-1.5 RM80.7 RM81.11
TS6: ICG10-1.12 RM80.8 RM81.10
TS7: ICG10-1.6 RM80.9 RM81.9
TxD: ICA8.1 ICE2.23 R138.2
TZ4: ICL11.14 MATRIX-EINGAENGE1.1
TZ5: ICL11.8 MATRIX-EINGAENGE1.2
TZ6: ICL11.7 SERVICEANZEIGE+TASTATUR1.19
TZ7: ICL11.1 SERVICEANZEIGE+TASTATUR1.20
UG: LAUTSPRECHER1.5 LEISTUNGSAUSGAENGE1.8 TR80.2
UGin: ICJ6.5 ICK5.3 RM86.2
UHR: ICE2.33 RM11.8
UM: LEISTUNGSAUSGAENGE1.6 TR72.2
UMin: ICJ6.9 ICK8.12 RM88.2
US: LEISTUNGSAUSGAENGE1.4 TR70.2
USin: ICJ6.6 ICK8.5 RM88.5
WriteRAM: ICA3.15 ICA7.10 ICC6.27 JP1.1 R93.2
ZE0: C23.1 DM2.1 ICB9.13 RM7.4 RM8.4
ZE1: C27.1 DM2.9 ICB9.5 RM7.8 RM8.8
ZE2: C22.1 DM2.4 ICB9.12 RM7.3 RM8.3
ZE3: C26.1 DM2.8 ICB9.6 RM7.7 RM8.7
ZE4: C21.1 DM2.3 ICB10.13 RM7.2 RM8.2
ZE5: C25.1 DM2.7 ICB10.5 RM7.6 RM8.6
ZEILEN_DIODEN: D4.1 D5.1 D14.1 D15.1 D16.1 D17.1 D26A1.1 D28.1 D29.1 R24.1 TR28.2
ZEILEN_STATUS: ICG3.3 ICL4.5 R31.1
ZEM1: C144.1 ICF10.12 RM82.3 RM83.15
ZEM2: C143.1 ICF10.6 RM82.2 RM83.16
~{ANZEIGEN}: C86.1 D63.1 ICK11.2 ICK11.6 ICK11.9 ICK11.13 ICL7.2 ICL7.6 ICL7.9 ICL7.13 ICL11.3 ICL11.5 ICL11.10 ICL11.12 R81.2
~{B0}: ICF2.8 LEUCHTZIFFERNANZEIGE1.2
~{BLANKING}: ICF2.9 ICG5.23 ICH1.11 R32.1 R147.1
~{KURZSCHLUSS_MAGNET}: D50.1 D52.1 D60.1 D70.1 ICL7.3 R68.2
Net-(BATTERIE2-+): BATTERIE2.1 D132.2 ICA2.5 R148.2
Net-(C32-Pad1): C32.1 R8.2
Net-(C33-Pad1): C33.1 Q2.1
Net-(C35-Pad1): C35.1 ICC3.4 R19.1
Net-(C35-Pad2): C35.2 ICC3.11 R37.2
Net-(C45-Pad1): C45.1 ICL4.6 R45.1 R46.1
Net-(C46-Pad2): C46.2 ICL4.1 ICL4.2 R30.2
Net-(C85-Pad1): C85.1 ICL4.11
Net-(C85-Pad2): C85.2 ICL6.1 ICL6.6 ICL9.1 R80.1
Net-(D1-K): D1.1 R1.2 RM1.2 TR1.1
Net-(D2-K): D2.1 R2.2 RM1.8 TR2.1
Net-(D3-A): D3.2 TY1.1 TY2.1 TY5.1 TY6.1
Net-(D7-K): D7.1 R9.2 R22.1
Net-(D10-K): D10.1 R10.2 RM1.3 TR10.1
Net-(D11-K): D11.1 R11.2 RM1.4 TR11.1
Net-(D12-K): D12.1 R12.2 RM1.5 TR12.1
Net-(D13-K): D13.1 R13.2 RM1.6 TR13.1
Net-(D19-A): D19.2 ICF2.13 ICH2.2 ICH2.6 ICH2.9 ICH2.13 R17.1
Net-(D21-K): D21.1 D30.1 ICH3.11 R34.1
Net-(D25-K): D25.1 R27.2 RM1.7 TR25.1
Net-(D26-K): D26.1 R28.2 RM1.9 TR26.1
Net-(D26A1-A): D26A1.2 LED1.2 R29.2
Net-(D27-A): D27.2 TY7.1 TY8.1 TY15.1 TY16.1
Net-(D30-A): D30.2 ICH3.14 ICK4.4
Net-(D40-A): D40.2 LED2.2
Net-(D41-A): D41.2 LED3.2
Net-(D42-A): D42.2 LED4.2
Net-(D50-A): D50.2 R41.1 TR55.3 TR56.3
Net-(D51-A): D51.2 R65.2 TR65.3
Net-(D52-A): D52.2 R66.2 TR66.3
Net-(D60-A): D60.2 R90.1 TR70.3 TR71.3 TR72.3 TR73.3 TR80.3 TR81.3
Net-(D61-A): D61.2 ICL8.12
Net-(D61-K): D61.1 R91.1
Net-(D70-A): D70.2 R100.2 TR82.3 TR83.3 TR95.3 TR96.3
Net-(D71-A): D71.2 ICL10.13 R101.1 R102.1
Net-(D71-K): C110.2 D71.1 ICL10.8 ICL10.12 R102.2
Net-(D72-A): D72.2 ICL8.2
Net-(D72-K): D72.1 R105.2
Net-(D73-A): D73.2 ICG10-1.2
Net-(D74-A): D74.2 ICG10-1.3
Net-(D75-A): D75.2 ICG10-1.10
Net-(D76-A): D76.2 ICG10-1.9
Net-(D77-A): D77.2 ICH10.3
Net-(D78-A): D78.2 ICH10.2
Net-(D79-A): D79.2 ICH10.9
Net-(D80-A): D80.2 ICH10.10
Net-(D85-A): D85.2 ICG10-2.2
Net-(D86-A): D86.2 ICG10-2.3
Net-(D87-A): D87.2 ICG10-2.9
Net-(D88-A): D88.2 ICG10-2.10
Net-(D89-A): D89.2 ICE10.2
Net-(D90-A): D90.2 ICE10.3
Net-(D91-A): D91.2 ICE10.9
Net-(D92-A): D92.2 ICE10.10
Net-(D93-A): D93.2 ICF10.3
Net-(D94-A): D94.2 ICF10.2
Net-(D95-A): D95.2 ICF10.10
Net-(D96-A): D96.2 ICF10.9
Net-(D97-A): D97.2 ICC10.10
Net-(D98-A): D98.2 ICC10.9
Net-(D99-A): D99.2 ICC10.2
Net-(D100-A): D100.2 ICC10.3
Net-(D101-A): D101.2 ICD10.2
Net-(D102-A): D102.2 ICD10.9
Net-(D103-A): D103.2 ICD10.10
Net-(D104-A): D104.2 ICD10.3
Net-(D105-A): D105.2 ICB10.3
Net-(D106-A): D106.2 ICB9.2
Net-(D107-A): D107.2 ICB9.3
Net-(D108-A): D108.2 ICB10.2
Net-(D109-A): D109.2 ICB10.9
Net-(D110-A): D110.2 ICB9.10
Net-(D111-A): D111.2 ICB9.9
Net-(D112-A): D112.2 ICB10.10
Net-(D120-K): D120.1 R127.1 R128.1 TR98.2
Net-(D133-A): D133.2 R144.2
Net-(D133-K): D133.1 D134.2
Net-(D134-K): D134.1 D135.1 ICA7.9
Net-(D135-A): D135.2 ICA8.13 R94.2
Net-(DA1-K): DA1.1 TRA1.1
Net-(DB1-A): DB1.2 RG1.1
Net-(DC1-A): DC1.2 R70.1
Net-(DE1-A): DE1.2 R67.1
Net-(DF1-A): DF1.2 ICH1.10 ICH1.12
Net-(ICA2B--): ICA2.6 ICA2.7 ICA2.9
Net-(ICA2C-+): ICA2.10 R22.2 R23.2
Net-(ICA2D--): ICA2.13 ICA2.14 R140.1
Net-(ICA3-CE): ICA3.13 ICA7.2 R150.2
Net-(ICA8-Pad2): ICA8.2 R106.2
Net-(ICA8-Pad3): ICA8.3 ICA9.4 R95.1
Net-(ICA9-Pad2): ICA9.2 R129.2
Net-(ICB2-HLDA): ICB2.38 ICC4.12
Net-(ICB2-RES_OUT): ICB2.3 ICC3.5
Net-(ICB2-X1): ICB2.1 ICC3.2 ICC3.13 R20.1
Net-(ICB2-X2): ICB2.2 ICC3.12 R21.1
Net-(ICB4-A->B): ICB4.1 ICC4.6
Net-(ICB8-CV): C170.1 ICB8.5
Net-(ICB8-DIS): C171.1 ICB8.6 ICB8.7 R143.2
Net-(ICB8-Q): ICB8.3 R15.1
Net-(ICB8-TR): ICA8.12 ICB8.2
Net-(ICC3-Pad3): ICC3.3 Q2.2 R19.2
Net-(ICC4-Pad3): ICC4.3 ICC4.4 ICC4.5
Net-(ICC4-Pad10): ICC4.10 ICC4.11
Net-(ICC5-A11): ICC5.21 JP2.2
Net-(ICC6-A11): ICC6.23 JP1.2
Net-(ICD1-Q1_GATES): C12.1 ICD1.1 ICD1.5 ICD1.6 Q1.2 R6.2
Net-(ICD1-Q2_(N)_SOURCE): ICD1.4 R5.1
Net-(ICD1-Q2_(P)_SOURCE): ICD1.2 R7.1
Net-(ICD1-Q2_GATES): C13.1 ICD1.3 Q1.1 R6.1
Net-(ICD2A-Q): ICD2.5 ICD2.12
Net-(ICD8-X0): ICD8.13 ICE8.9
Net-(ICD8-X1): ICD8.14 ICE8.7
Net-(ICD8-X2): ICD8.15 ICE8.6
Net-(ICD8-X3): ICD8.12 ICE8.5
Net-(ICD8-X): ICD8.3 ICF4-2.11 R92.1
Net-(ICE8-CLK): ICE8.10 ICL10.5
Net-(ICF2-Pad14): ICF2.14 R4.1
Net-(ICF2D-+): C5.1 ICF2.12 RM3.2 RM4.15
Net-(ICF4-2A-Q): ICF4-2.1 ICF4-2.8
Net-(ICF4-2A-R): ICF4-2.4 ICF4-2.13 TR87.2
Net-(ICF8-X0): ICF8.13 ICG8-2.9
Net-(ICF8-X1): ICF8.14 ICG8-2.7
Net-(ICF8-X2): ICF8.15 ICG8-2.6
Net-(ICF8-X3): ICF8.12 ICG8-2.5
Net-(ICG3-A): ICG3.11 ICH4-2.3
Net-(ICG3-B): ICG3.10 ICH4-2.4
Net-(ICG3-C): ICG3.9 ICH4-2.5
Net-(ICG8-1-Cp1): ICG8-1.11 R98.1
Net-(ICG8-1-Mr1): ICG8-1.12 R96.2
Net-(ICG8-1-Mr2): ICG8-1.13 R97.2
Net-(ICG8-1-Q0): ICG8-1.9 R98.2
Net-(ICG8-1-Q2): ICG8-1.4 R96.1
Net-(ICG9-CLOCK): ICG9.2 R123.1 TR84.1
Net-(ICH1A-+TR1): ICH1.4 ICH3.9
Net-(ICH1A-Cx1): C1.2 ICH1.1
Net-(ICH1A-Rx1_Cx1): C1.1 ICH1.2 R3.1
Net-(ICH1A-~{Q1}): ICH1.7 ICK4.6
Net-(ICH1B-Cx2): CI1.1 ICH1.15
Net-(ICH1B-Rx2_Cx2): CI1.2 ICH1.14 RK1.1
Net-(ICH2A-+): C8.1 ICH2.3 RM3.5 RM4.5
Net-(ICH2B-+): C7.1 ICH2.5 RM3.4 RM4.4
Net-(ICH2C-+): C6.1 ICH2.10 RM3.3 RM4.3
Net-(ICH2D-+): C11.1 ICH2.12 RM3.8 RM4.16
Net-(ICH3-CLK): C30.2 ICH3.10 R14.1
Net-(ICH4-1-O1): ICH4-1.16 R2.1
Net-(ICH4-1-O2): ICH4-1.15 R10.1
Net-(ICH4-1-O3): ICH4-1.14 R11.1
Net-(ICH4-1-O4): ICH4-1.13 R12.1
Net-(ICH4-1-O5): ICH4-1.12 R13.1
Net-(ICH4-1-O6): ICH4-1.11 R27.1
Net-(ICH4-1-O7): ICH4-1.10 R28.1
Net-(ICH4-2A-Q4): ICH4-2.6 R48.2
Net-(ICH4-2A-Reset): ICH4-2.7 R48.1
Net-(ICH4-2B-Enable): ICH4-2.10 ICL4.4
Net-(ICH4-2B-Q4): ICH4-2.14 ICK4.3
Net-(ICH4-2B-Reset): ICH4-2.15 ICL4.3
Net-(ICH8-COM): ICH8.1 R132.1
Net-(ICH8-~{E}): ICH8.15 R107.2 TR87.1
Net-(ICK4A-D): ICK4.5 R141.1
Net-(ICK4A-Q): ICK4.1 R42.2
Net-(ICL6-Pad4): ICL6.4 ICL6.9
Net-(ICL6-Pad12): ICL6.3 ICL6.12
Net-(ICL8A-S): ICL7.1 ICL8.6
Net-(ICL8B-S): ICL7.7 ICL8.8
Net-(ICL9-Pad12): ICL9.3 ICL9.12
Net-(ICL10A-CV): C121.2 C134.2 ICL10.3
Net-(ICL10A-DIS): ICL10.1 R121.1
Net-(ICL10A-THR): C121.1 ICL10.2 ICL10.6 R121.2 R122.2
Net-(ICL10B-CV): C110.1 C133.1 ICL10.11
Net-(ICL10B-Q): ICL8.4 ICL8.10 ICL10.9
Net-(LED1-K): LED1.1 TR41.1
Net-(LED4-K): LED4.1 R82.2 TR57.3
Net-(LED5-A): LED5.2 R140.2
Net-(MUENZANNAHME1-Pin_3): MUENZANNAHME1.3 RM85.3
Net-(MUENZANNAHME1-Pin_6): MUENZANNAHME1.6 RM83.8
Net-(MUENZANNAHME1-Pin_7): MUENZANNAHME1.7 RM83.7
Net-(MUENZANNAHME1-Pin_8): MUENZANNAHME1.8 RM83.6
Net-(MUENZANNAHME1-Pin_9): MUENZANNAHME1.9 RM83.5
Net-(MUENZANNAHME1-Pin_10): MUENZANNAHME1.10 RM83.4
Net-(MUENZANNAHME1-Pin_11): MUENZANNAHME1.11 RM83.3
Net-(MUENZANNAHME1-Pin_12): MUENZANNAHME1.12 RM83.2
Net-(MUENZANNAHME1-Pin_13): MUENZANNAHME1.13 RM83.1
Net-(MUENZANNAHME1-Pin_14): MUENZANNAHME1.14 RM85.4
Net-(MUENZANNAHME1-Pin_15): MUENZANNAHME1.15 RM85.5
Net-(MUENZANNAHME1-Pin_16): MUENZANNAHME1.16 RM85.6
Net-(MUENZANNAHME1-Pin_17): MUENZANNAHME1.17 RM85.7
Net-(MUENZANNAHME1-Pin_18): MUENZANNAHME1.18 RM85.8
Net-(R136-Pad2): R136.2 R137.2
Net-(RM3-R5): C9.1 RM3.6
Net-(RM3-R6): C10.1 RM3.7
Net-(RM7-R4): C24.1 DM2.6 RM7.5 RM8.5
Net-(RM7-R8): C20.1 DM2.2 RM7.9 RM8.1
Net-(RM10A-R1.1): RM10.1 TR30.3
Net-(RM10B-R2.1): RM10.2 TR33.3
Net-(RM10C-R3.1): RM10.3 TR31.3
Net-(RM10D-R4.1): RM10.4 TR34.3
Net-(RM10E-R5.1): RM10.5 TR3.3
Net-(RM10F-R6.1): RM10.6 TR14.3
Net-(RM10G-R7.1): RM10.7 TR16.3
Net-(RM10H-R8.1): RM10.8 TR15.3
Net-(TR17-G): R15.2 TR17.2
Net-(TR27-B): R29.1 TR27.3
Net-(TR28-B): R33.2 TR28.1 TR29.1
Net-(TR29-B): R32.2 TR29.2
Net-(TR32-B): R47.1 TR32.1
Net-(TR32-C): R1.1 TR32.2
Net-(TR40-B): R43.1 R44.1 TR40.2
Net-(TR40-C): R45.2 TR40.1
Net-(TR41-B): R42.1 TR41.2
Net-(TR45-B): R57.2 R105.1 TR45.2
Net-(TR46-B): R56.2 R91.2 TR46.2
Net-(TR55-B): ICK5.8 TR55.1
Net-(TR56-B): ICK6.7 TR56.1
Net-(TR57-B): R83.2 TR57.2
Net-(TR57-C): R84.2 TR57.1
Net-(TR65-B): ICK6.8 TR65.1
Net-(TR66-B): ICK6.1 TR66.1
Net-(TR70-B): ICK8.7 TR70.1
Net-(TR71-B): ICK8.1 TR71.1
Net-(TR72-B): ICK8.14 TR72.1
Net-(TR73-B): ICK8.8 TR73.1
Net-(TR80-B): ICK5.1 TR80.1
Net-(TR81-B): ICK5.7 TR81.1
Net-(TR82-B): ICK7.14 TR82.1
Net-(TR83-B): ICK7.8 TR83.1
Net-(TR85-B): R106.1 TR85.2
Net-(TR85-C): R125.2 TR85.1
Net-(TR86-B): R125.1 R126.1 TR86.2
Net-(TR86-C): R135.2 TR86.1
Net-(TR95-B): ICK7.7 TR95.1
Net-(TR96-B): ICK7.1 TR96.1
Net-(TR97-B): R131.1 R132.2 TR97.1
Net-(TR97-C): R130.1 TR97.2
Net-(TR98-C): R129.1 TR98.1
Net-(TR99-B): R144.1 R145.1 TR99.2
Net-(TRA1-B): RC1.2 RD1.1 TRA1.2
Net-(TRB1-B): RE1.2 TRB1.2
Net-(TRB1-C): RF1.2 RG1.2 TRB1.1 TRC1.2
Net-(TRC1-C): RD1.2 TRC1.1

Pads without a net: C4 1; C151 1; C152 1; D81 1 2; D82 1 2; D83 1 2; D84 1 2; DM1 1 2 9; ICA2 1; ICA3 1 3 16 19 21 23; ICA8 6 8 10; ICA9 3 6; ICB2 4 29 33; ICC6 1; ICC8 10 11; ICD1 12; ICD2 4 6 8 9 10 13; ICD8 1 2 4 5; ICE2 18 22; ICE5 3 5 6 7 9 10 11; ICE8 1 2 3 4 12 13 14 15; ICF3 5 9; ICF4-2 2; ICF5 1 2 3 4 5; ICF8 1 2 4 5; ICG5 36 37; ICG8-1 2 6 8; ICG8-2 1 2 3 4 12 13 14 15; ICG9 16; ICH1 6 9; ICH3 1 2 3 4 5 7 12 13 15; ICH4-1 9; ICH4-2 11 12 13; ICH5 7 9 10 11 12; ICH8 9 16 17 18; ICK4 2 12 13; ICK5 14; ICL7 8 14; ICL8 1 13; ICL9 4 10; RM3 9; RM4 6 7 8 9 10 11; RM5 2 8 9; RM6 6 7 8 9 10 11; RM8 12 16; RM11 2; RM21 9; RM84 2 3; RM85 1 2 15 16; RM89 6 7 8 9; ZUSATZWALZEN1 12

## Via types
v1: diameter 0.8, hole 0.4, Top to Bottom, 1440 vias

## Routing (per net, layer and track width the routed paths; a pad name or vN(x,y) marks a point on that pad's centre or on a via; arc(x,y) is an arc through that point)
+2V5: length 464.2
  Top w0.25: ICG2.6 ICG2.9 59,135.4 60.53,136.94 60.53,149.47 v1(59.69,150.31) ; v1(102,114) 102,115.75 101.3,116.45 101.3,145.95 101.25,146 101.25,148.25 101,148.5 101,150.25 103.25,152.5 v1(103.25,154.5) ; ICL5.13 136.86,190.7 136.86,185.32 ICL5.2 ; ICG2.13 ICG2.2 47.62,124.09 47.62,118.97 48.98,117.62 ICF2.2 ; ICG4.13 ICG4.2 ; ICG1.9 ICG1.6 ; ICF2.10 56.6,116.49 59.14,113.95 ICF2.6 ; v1(77.75,199.2) 77.75,193.5 75.53,191.28 75.53,181.12 v1(77.04,179.6) ; 120.45,125.4 ICF4-1.9 ICF4-1.6 ; v1(84.66,179.98) 83.31,178.63 83.31,170.03 87.25,166.09 v1(87.25,154.75) ; R55.2 135.6,191.96 ; ICG1.13 ICG1.2 ; ICG4.9 ICG4.6 ; ICF4-1.13 ICF4-1.2 ; ICL5.6 ICL5.9
  Bottom w0.15: 84.34,198.22 84.39,198.27 127.98,198.27 128.04,198.22 ; v1(77.04,179.6) 77.73,180.29 84.36,180.29 v1(84.66,179.98)
  Bottom w0.25: ICG1.2 27.69,127 34.84,127 ICG1.6 37.84,127 47.14,127 ICG2.2 50.29,126.75 57.55,126.75 ICG2.6 60.34,126.64 67.01,126.64 68.25,127.88 68.25,131.69 69.55,132.99 74.76,132.99 76.25,131.5 81.75,131.5 82.25,131 95.5,131 96.37,131.87 96.37,133.37 97.26,134.26 109.05,134.26 ICG4.13 ; 135.64,196.8 138.22,196.8 ; ICF2.6 57.54,114.01 50.57,114.01 ICF2.2 ; 135.5,196.74 C60.1 129.51,196.74 128.04,198.22 ; ICL5.2 137.04,185.5 144.6,185.5 ICL5.6 ; 110.72,125.72 112,127 119.64,127 120.88,125.76 ; D19.1 54.2,153.2 55.4,152 56.2,152 57.6,150.6 59.4,150.6 v1(59.69,150.31) ; v1(77.75,199.2) 83.35,199.2 84.34,198.22 ; v1(102,114) 104,114 106.6,111.4 108.94,111.4 ICF4-1.2 111.73,114.19 119.01,114.19 ICF4-1.6 ; v1(103.25,154.5) 92.5,154.5 91.75,155.25 87.75,155.25 v1(87.25,154.75)
+5V: length 3162.8
  Top w0.15: 77.17,76.33 78.25,75.25 78.25,70.95 v1(77.3,70)
  Top w0.25: 77,146.39 77,149.97 v1(77.17,150.13) ; ICF8.16 202.22,106.58 202.8,106 202.8,105.6 203.4,105 203.4,102 v1(202.2,100.8) 202.22,100.78 ICE8.16 ; v1(96.73,157.12) 96.73,160.8 97.49,161.56 97.49,165.93 ; v1(88.5,157.12) 88.5,164.89 R30.1 ; TR14.1 45.25,162.33 v1(45.25,156) ; TR31.1 83.25,162.58 83.25,156.95 TR34.1 ; v1(130.51,188.5) 130.51,189.99 130,190.5 v1(130,194.75) ; v1(130.51,188.5) 129.1,187.09 R147.2 ; v1(130.51,188.5) 131.14,187.87 131.14,156.9 130,155.75 130,154.25 131.27,152.98 131.27,148.23 RM86.1 ; v1(159,153.5) 158,152.5 158,147.25 157.5,146.75 157.5,143.34 158.75,142.09 RM56.1 ; v1(152.5,155) 152.1,154.6 152.1,150.77 150.95,149.62 ICH5.6 ; 250.65,50.07 250.65,52.98 252.08,54.41 252.08,61.42 250.67,62.83 ICC10.14 250.67,66.67 251.88,67.88 251.88,76.12 250.76,77.24 ICD10.14 250.76,83.26 252.05,84.54 252.05,91.96 250.75,93.25 ICE10.14 ; R139.1 156.3,105.19 158.7,107.59 158.7,110.76 v1(158.83,110.89) ; ICH10.14 250.6,153.9 251.75,152.75 251.75,142.77 ICG10-1.14 250.6,138.63 252,137.23 v1(252,132.25) 252,130.25 250.5,128.75 ICG10-2.14 250.5,124 251.88,122.62 251.88,116.38 250.76,115.26 250.76,111.25 ; v1(230.84,204.62) 231.2,204.26 231.2,199.6 230.1,198.5 ICL9.14 227.5,189.27 v1(227.5,185.5) ; ICD4.20 100.15,76.72 99.01,75.59 v1(99.01,64.92) 99.01,61.62 99.4,61.24 v1(99.4,59.96) ; ICD3.16 77.17,76.33 ; v1(28.78,153.56) 28.53,153.82 RK1.2 ; 250.53,163.22 v1(250.4,163.22) 250.52,163.09 250.52,156.94 ; 138.5,204.5 138.5,200 137.12,198.62 137.12,195.38 v1(137.25,195.25) ; C92.1 197.06,81.81 197.06,76.6 198.33,75.33 198.33,73.3 196.55,71.52 196.55,64.41 C94.1 197.06,61.11 197.06,56.36 C95.1 ; ICB8.8 202.2,54.45 v1(202.75,55) ; v1(30.25,58.75) 30.25,63.29 DM1.5 ; ICL7.4 186.63,186.22 185.25,187.6 v1(185.25,190.39) ; ICF3.16 77.25,117.5 v1(78.5,116.25) ; v1(183.75,17.25) 183.4,17.6 183.4,22.94 R83.1 183.2,25.54 183.2,35.78 D54.2 ; C90.1 197.06,102.3 197.06,96.92 C91.1 ; R80.2 181.5,211.16 183.6,213.25 183.6,223.4 181.5,225.5 v1(181.5,235) ; ICD6.1 ICD6.28 ICE6.1 161.5,101.3 162.8,102.6 162.8,107.2 161.5,108.5 ICE6.28 ; v1(105.25,117) 105.25,112.75 105.75,112.25 105.75,109.57 ICF4-2.14 ; ICL10.4 258.14,182.15 v1(259.5,183.5) 260.69,184.69 ICL10.10 ; v1(59.39,69.36) 59.54,69.51 ICD2.2 59.54,74.71 57,77.25 ICD2.14 ; 54.75,24.38 54.75,25.75 54.5,26 v1(54.5,27.75) 54.5,29.68 55.7,30.88 55.7,32.65 54.66,33.69 54.66,39.15 ; 100.28,105.22 100.28,100.97 101.5,99.75 v1(101.5,94.75) ; R142.2 227.54,143.15 226.27,141.88 226.27,140.99 v1(227.54,139.72) ; v1(99.4,59.96) 101,58.36 101,50.37 ICB4.20 ; v1(99.4,59.96) C53.2 ; v1(57.99,144.67) 54.07,140.75 ICH2.4 ; ICK4.14 107.76,181.24 106.4,182.6 106.4,190.27 ICL4.14 ; 250.5,187.34 v1(250.5,184.25) 250.5,183.69 251.75,182.44 251.75,173.4 R122.1 ; R20.2 53.25,40.56 v1(53.25,54.25) 53.25,59.5 v1(53,59.75) 53,60.95 D18.1 51.75,67.75 50.5,69 50.5,71 49,72.5 ; v1(77.25,130.25) 77,130.5 ICG3.16 ; v1(93.75,101.5) 94,101.75 94,103.75 95.5,105.25 96,105.25 93.91,107.34 93.91,116.16 v1(94,116.25) ; D35.1 138.4,207.15 139.4,208.15 139.4,215.63 143.21,219.44 ; ICD3.11 ICD3.6 ; 30.98,145.86 C3.2 33.78,153.31 C2.2 ; ICF10.14 250.65,108.35 252,107 252,100.5 250.5,99 250.5,96.12 ; ICH1.5 33.76,140.84 v1(33.61,140.99) 33.51,140.99 v1(31,143.5) 31.22,143.72 ICH1.13 ; v1(115.75,117.5) 115.75,115.69 115.37,115.31 ICF4-1.4 115.37,110.13 116.45,109.05 116.45,105.14 117.86,103.73 ICF4-2.5 ; 55.5,150.83 v1(55.5,156) ; ICB5.20 128.6,49.82 ; 100.25,80.22 v1(100.25,87.25) ; R82.1 175.15,24.34 174.88,24.62 174.88,28.26 174.96,28.34 174.96,29.36 175.72,30.12 175.72,34.69 174.36,36.05 R145.2 ; ICD2.1 57,69.98 57.49,69.49 57.49,59.96 v1(58.12,59.33) 59.64,57.81 ; v1(128.75,126.75) 130,128 C63.1 ; v1(27.89,24.02) 27.75,23.88 27.75,17.74 R9.1 ; ICD3.14 ICD3.3 ; v1(23.5,143.5) 23.5,145.52 ; 26.03,160.93 28.23,160.93